# KiCad board panel_r0.1.kicad_pcb (continued)
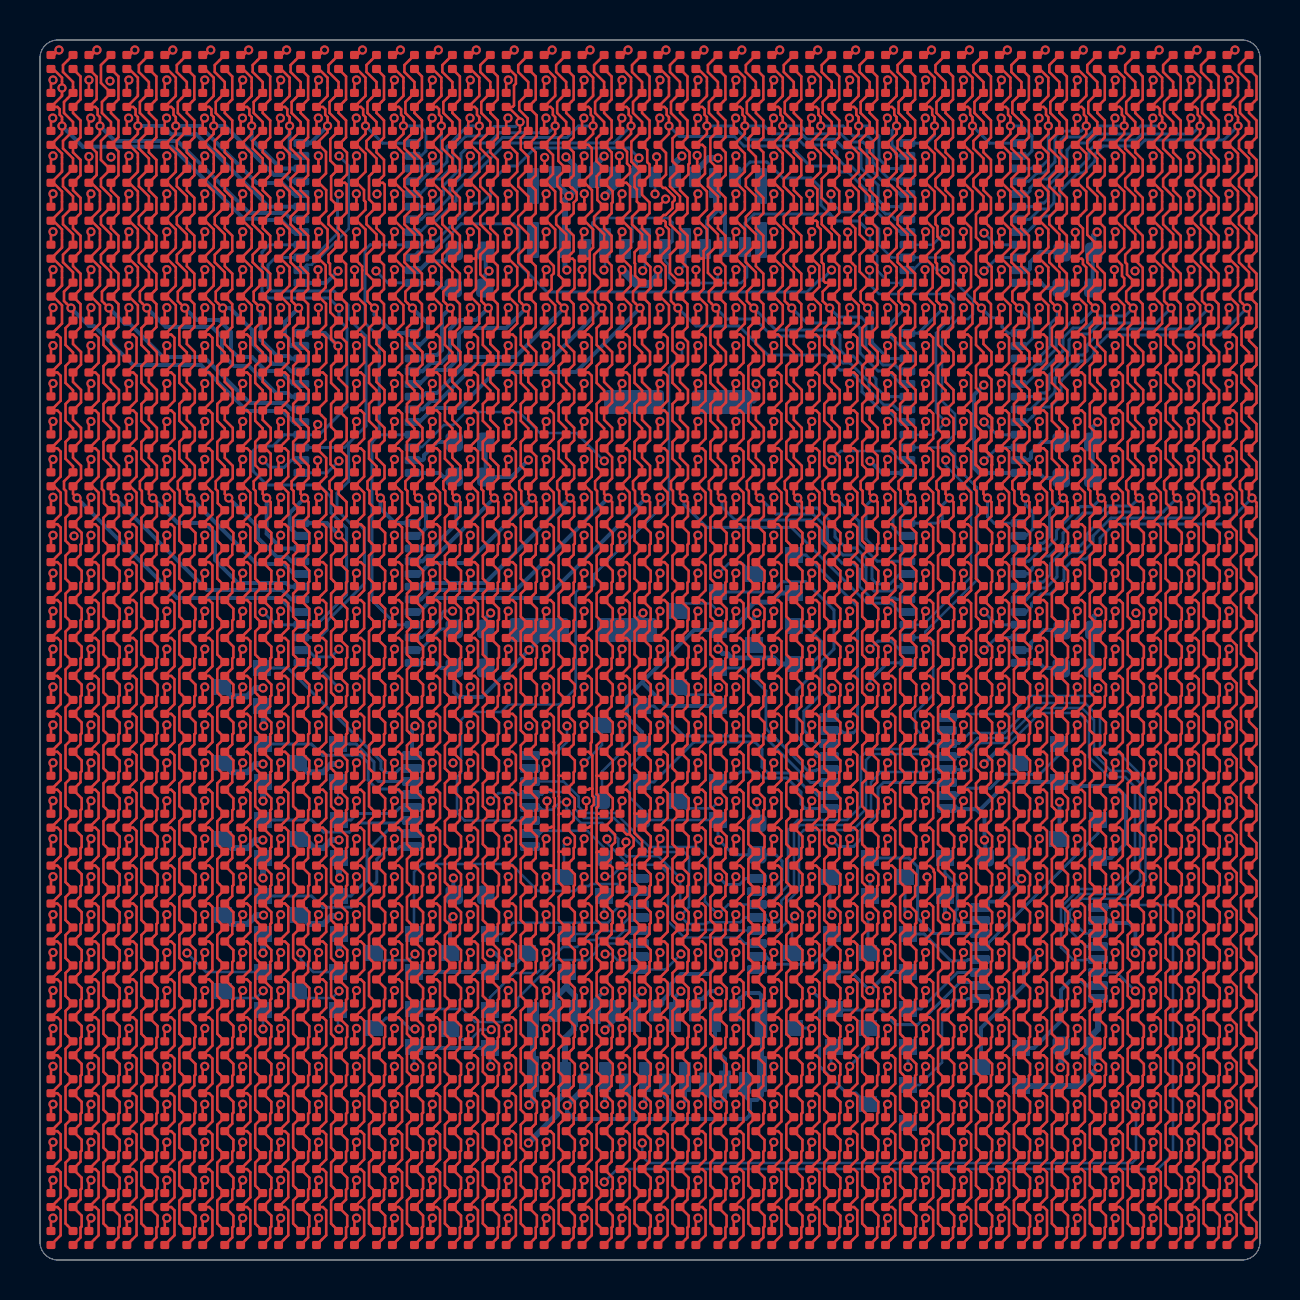
[diagram p0: board, top side]
## Routing (per net, layer and track width the routed paths; a pad name or vN(x,y) marks a point on that pad's centre or on a via; arc(x,y) is an arc through that point) (continued)
/ledArray/G: length 46.6
  In1.Cu w0.127: v1(16.85,53.3) 16.85,53.8 17.2,54.15 31.35,54.15 31.55,54.35 33.15,54.35 v1(33.9,55.1)
  In2.Cu w0.15: v1(16.85,53.3) 16.1,52.55 15.75,52.55 15.33,52.13 15.33,49.32 15.4,49.25 15.4,45 14.9,44.5 14.9,41.1 14.45,40.65 14.45,39.75 15.4,38.8 15.4,35.65 14.94,35.19 v1(14.94,30.54)
  Bottom w0.15: v1(14.94,30.54) 14.55,30.15 13.74,30.15 13.44,30.45 13.11,30.45 U5.2
  Bottom w0.3: J1.6 32.9,54.3 32.9,54.6 32.95,54.6 33.45,55.1 v1(33.9,55.1)
/ledArray/Gout: length 30.8
  In2.Cu w0.2: v1(33.94,13.44) 34.53,12.85 35.1,12.85 35.75,13.5 35.75,17.8 36.2,18.25 37.25,18.25 37.8,18.8 37.8,19.35 38.45,20 42.4,20 45.1,22.7 45.1,26.8 47.2,28.9 v1(47.2,30.5)
  Bottom w0.15: v1(47.2,30.5) 47.83,31.13 U6.22
  Bottom w0.2: J2.6 32.75,12.85 32.95,13.05 33.1,13.05 33.49,13.44 v1(33.94,13.44)
/ledArray/LATCH: length 185.2
  In1.Cu w0.127: v1(45.27,51.4) 45.25,51.38 45.25,50.35 ; 45.25,50.35 41.15,50.35 ; 45.25,50.35 53.85,50.35 v1(54.75,49.45) ; 41.15,50.35 41.48,50.02 v1(41.48,49.5) ; 41.15,50.35 31.02,50.35 v1(30.14,49.47) 29.32,48.65 16,48.65 v1(14.95,47.6)
  In2.Cu w0.127: v1(54.8,7.75) 56.55,9.5 56.55,36.2 58.05,37.7 58.05,38.9 57.7,39.25 56.85,39.25 56.6,39.5 56.6,40.7 56.15,41.15 55.5,41.15 55.15,41.5 55.15,47.68 54.75,48.07 v1(54.75,49.45) ; v1(30.15,7.75) 30.11,7.71 v1(30.11,5.85) ; v1(45.29,41.9) 45.29,41.89 v1(45.29,40)
  Bottom w0.127: U8.4 44.66,41.26 v1(45.29,41.9) 44.8,42.39 44.8,46.35 45.7,47.25 45.7,48.05 45.45,48.3 41.95,48.3 41.48,48.77 v1(41.48,49.5) ; U6.4 44.16,31.76 46.55,34.16 46.55,38.45 45.29,39.71 v1(45.29,40) ; v1(45.27,51.4) 44.63,50.76 U10.4 ; v1(30.11,5.85) 30.11,5.19 30.45,4.85 54.6,4.85 54.8,5.05 v1(54.8,7.75) ; v1(30.14,49.47) 30.25,49.58 J1.11
  Bottom w0.15: v1(11.15,32.4) 11.79,31.76 U5.4 13.83,31.76 15.33,33.27 15.33,36.58 14.55,37.36 14.55,38.15 13.95,38.75 11.35,38.75 10.65,39.45 10.65,40.45 10.9,40.7 11.65,40.7 12.21,41.26 U7.4 13.95,41.26 15.35,42.66 15.35,46.6 14.95,47 v1(14.95,47.6) 14.45,48.1 11.4,48.1 11.1,48.4 11.1,50.4 11.46,50.76 U9.4
  Bottom w0.2: v1(30.15,7.75) 30.25,7.85 J2.11
/ledArray/R: length 50.7
  In2.Cu w0.15: v1(31.95,49.45) 31.09,50.3 25.05,50.3 24.65,50.7 24.65,57.75 24.1,58.3 11.85,58.3 11.1,57.55 11.1,56.5 10.6,56 10.6,46.85 11.14,46.31 v1(11.14,40)
  Bottom w0.15: J1.7 32.25,49.75 v1(31.95,49.45) ; v1(11.14,40) 11.51,39.64 12.22,39.64 12.57,39.99 U7.2
/ledArray/Rout: length 49.1
  In2.Cu w0.2: v1(32.05,7.75) 34.4,10.1 34.4,10.25 36.15,12 36.15,17.55 36.5,17.9 37.65,17.9 38.1,18.35 42.5,18.35 44.2,20.05 48.4,20.05 48.85,20.5 48.85,38.3 v1(47.2,39.95)
  Bottom w0.15: v1(47.2,39.95) 47.88,40.63 U8.22
  Bottom w0.2: v1(32.05,7.75) 32.25,7.95 J2.7
/ledArray/ROWblank: length 113.1
  In2.Cu w0.127: v1(26.33,22.9) 25.95,23.28 25.95,39.5 28.65,42.2 28.65,47.95 29.2,48.5 33.8,48.5 34.35,49.05 34.35,51.3 33.4,52.25 28,52.25 27.75,52.5 27.75,53.75 28.2,54.2 v1(28.2,55.19)
  In2.Cu w0.15: v1(28.21,13.45) 28.65,13.88 28.65,15.74 v1(32.01,19.1)
  Bottom w0.127: 52.9,15.03 52.3,15.03 52.27,14.99 51.68,14.99 51.05,15.62 51.05,17.63 51.97,18.55 53.71,18.55 54.75,19.59 54.75,23.65 54.25,24.15 53.45,24.15 52.45,25.15 52.45,26.85 51.95,27.35 50,27.35 48.5,25.85 47,25.85 46.6,25.45 46.6,24.65 46.4,24.45 46.03,24.45 45.95,24.53 44.62,24.53 44.5,24.4 42.05,24.4 41.55,23.9 41.55,22.4 40.65,21.5 38.2,21.5 37.95,21.25 37.95,18.5 37.3,17.85 37.3,16.85 36.93,16.47 U2.13 34.62,16.47 34.6,16.5 32.14,16.5 31.63,17.02 31.63,17.57 32.01,17.96 v1(32.01,19.1) 30.92,20.18 29.32,20.18 28.92,20.59 28.92,21.05 28.12,21.85 27.05,21.85 26.33,22.57 v1(26.33,22.9) 26.01,22.9 25.63,22.52 25.11,22.52 25,22.62 U1.13
  Bottom w0.2: v1(28.21,13.45) 27.75,12.99 J2.16
  Bottom w0.3: v1(28.2,55.19) 27.75,54.74 J1.16
/ledArray/ROWdat: length 54.1
  In2.Cu w0.127: v1(28.25,53.2) 28.85,53.8 35.15,53.8 35.6,53.35 35.6,48.65 35.25,48.3 35.25,46.55 35,46.3 32.62,46.3 v1(32.02,45.7)
  Bottom w0.127: v1(32.02,45.7) 32.1,45.62 32.1,45.25 31.45,44.6 31.45,38.02 27.7,34.27 27.7,33.75 27.59,33.65 27.05,33.65 26.78,33.38 26.78,28.58 25.97,27.77 23.43,27.77 23.06,27.4 21.45,27.4 21.05,27 21.05,24.35 20.85,24.15 20.85,22.35 21.22,21.97 24.5,21.97
  Bottom w0.3: J1.14 28.75,53.7 v1(28.25,53.2)
/ledArray/ROWlatch: length 105.4
  In2.Cu w0.127: v1(32.01,17.2) 31.56,16.75 30.2,16.75 29.55,16.1 29.55,12.6 28.63,11.68 28.63,11.27 28.05,10.69 28.05,8.28 28.23,8.1 v1(28.23,7.78) ; v1(22.52,22.95) 23.95,24.38 23.95,28.45 23.9,28.5 23.9,37.55 23.95,37.6 23.95,40.65 24.3,41 25.3,41 26.7,42.4 26.7,47.89 28.2,49.39 v1(28.2,49.5)
  Bottom w0.127: U1.12 24.57,23.34 ; U1.12 23.9,23.28 23.83,23.34 22.92,23.34 v1(22.52,22.95) ; U1.12 25.1,23.28 25.22,23.4 26.39,23.4 26.71,23.08 26.71,22.58 27.19,22.1 28.7,22.1 30.4,20.4 32.2,20.4 32.45,20.15 32.45,17.64 v1(32.01,17.2) 32.41,16.8 33.3,16.8 33.39,16.89 35.01,16.89 35.25,17.12 U2.12 36.25,17.12 36.49,16.89 36.87,16.89 37.07,17.09 37.07,17.97 37.7,18.6 37.7,21.45 38,21.75 40.5,21.75 41.3,22.55 41.3,25 41.6,25.3 44.45,25.3 44.57,25.17 U3.12 45.95,25.17 46.88,26.1 48.35,26.1 49.85,27.6 52.1,27.6 52.7,27 52.7,25.3 53.55,24.45 54.4,24.45 55,23.85 55,19.05 54.25,18.3 52.02,18.3 51.26,17.54 51.26,16.71 52.3,15.67 U4.12 ; J1.15 28.25,49.55 v1(28.2,49.5)
  Bottom w0.2: v1(28.23,7.78) 28.25,7.8 J2.15
/ledArray/ROWout: length 54.3
  In2.Cu w0.127: v1(28.21,3.9) 27.75,4.36 27.75,11 v1(28.25,11.5)
  Bottom w0.127: v1(28.21,3.9) 28.86,4.55 55.9,4.55 56.65,5.3 56.65,17.55 56.45,17.75 53.62,17.75 53.5,17.62 U4.9
  Bottom w0.2: J2.14 28.75,12 v1(28.25,11.5)
/ledArray/SCLK: length 166.4
  In1.Cu w0.127: v1(39.55,53.3) 39.55,52.97 39.08,52.5 30.55,52.5 30.5,52.45 29.9,52.45
  In1.Cu w0.15: v1(14.95,53.3) 14.95,52.35 15.15,52.15 18.9,52.15 19.2,52.45 30.45,52.45 30.52,52.52 30.52,53.07 v1(30.75,53.3)
  In2.Cu w0.127: v1(33.94,15.34) 33.94,16.31 33.91,16.34 v1(33.91,17.27)
  Bottom w0.127: 52.9,16.33 52.24,16.33 51.48,17.09 51.48,17.45 52.09,18.06 54.36,18.06 55.27,18.97 55.27,24.03 53.95,25.35 53.3,25.35 53,25.65 53,27.1 52.25,27.85 49.72,27.85 48.22,26.35 46.47,26.35 45.95,25.83 44.53,25.83 ; 44.53,25.83 43.75,26.6 43.75,27.35 44.66,28.26 44.66,30.73 44.26,31.13 ; 44.53,25.83 44.25,25.55 41.45,25.55 41.05,25.15 41.05,22.7 40.35,22 37.9,22 37.4,21.5 37.4,18.72 36.45,17.78 U2.11 34.41,17.78 v1(33.91,17.27) 33.25,17.93 33.25,18.65 33.45,18.85 33.45,20.05 32.85,20.65 30.47,20.65 28.78,22.35 27.25,22.35 26.93,22.67 26.93,23.17 26.17,23.92 U1.11 ; v1(39.55,53.3) 39.55,52.9 40.05,52.4 41.1,52.4 41.95,51.55 41.95,50.75 42.57,50.13 U10.3 45.47,50.13 45.7,49.9 45.7,48.95 46.65,48 46.65,47.3 46.4,47.05 45.9,47.05 45.1,46.25 45.1,42.95 45.75,42.3 45.75,41.31 45.22,40.78 45.22,40.63 ; 44.26,31.13 44.26,31.41 46.85,34 46.85,38.62 45.75,39.72 45.75,40.3 45.42,40.63 45.22,40.63 ; 44.26,31.13 U6.3 ; J1.10 v1(30.75,53.3) ; 45.22,40.63 U8.3
  Bottom w0.15: U5.3 13.98,31.13 14.35,31.5 14.35,31.95 16.22,33.81 16.22,36.52 15.89,36.84 15.51,36.84 14.85,37.5 14.85,38.35 15.43,38.93 15.43,40.83 ; 15.43,40.83 16.3,41.7 16.3,46.2 15.4,47.1 15.4,47.75 14.7,48.45 11.55,48.45 11.4,48.6 11.4,49.75 11.78,50.13 U9.3 13.68,50.13 14.88,51.33 14.88,53.22 v1(14.95,53.3) ; 15.43,40.83 15.23,40.63 U7.3
  Bottom w0.2: J2.10 31.12,12.82 31.12,12.98 31.5,13.36 31.5,13.75 32.05,14.3 33.45,14.3 33.94,14.79 v1(33.94,15.34)
/ledArray/sheet5D7D53E6/COM: length 65
  Top w0.127: v1(0.65,45.72) 0.55,45.62 D257.1 ; v1(2.55,45.72) 2.45,45.62 D258.1 ; v1(4.44,45.72) 4.34,45.62 D259.1 ; v1(6.34,45.72) 6.24,45.62 D260.1 ; v1(8.24,45.72) 8.14,45.62 D261.1 ; v1(10.13,45.72) 10.03,45.62 D262.1 ; v1(12.03,45.72) 11.93,45.62 D263.1 ; v1(13.93,45.72) 13.83,45.62 D264.1 ; v1(15.82,45.72) 15.72,45.62 D265.1 ; v1(17.72,45.72) 17.62,45.62 D266.1 ; v1(19.62,45.72) 19.52,45.62 D267.1 ; v1(21.51,45.72) 21.41,45.62 D268.1 ; v1(23.41,45.72) 23.31,45.62 D269.1 ; v1(25.31,45.72) 25.21,45.62 D270.1 ; v1(27.2,45.72) 27.1,45.62 D271.1 ; v1(29.1,45.72) 29,45.62 D272.1 ; v1(31,45.72) 30.9,45.62 D273.1 ; v1(32.9,45.72) 32.79,45.62 D274.1 ; v1(34.79,45.72) 34.69,45.62 D275.1 ; v1(36.69,45.72) 36.59,45.62 D276.1 ; v1(38.59,45.72) 38.48,45.62 D277.1 ; v1(40.48,45.72) 40.38,45.62 D278.1 ; v1(42.38,45.72) 42.28,45.62 D279.1 ; v1(44.28,45.72) 44.17,45.62 D280.1 ; v1(46.17,45.72) 46.07,45.62 D281.1 ; v1(48.07,45.72) 47.97,45.62 D282.1 ; v1(49.97,45.72) 49.86,45.62 D283.1 ; v1(51.86,45.72) 51.76,45.62 D284.1 ; v1(53.76,45.72) 53.66,45.62 D285.1 ; v1(55.66,45.72) 55.56,45.62 D286.1 ; v1(57.55,45.72) 57.45,45.62 D287.1 ; v1(59.45,45.72) 59.35,45.62 D288.1
  In2.Cu w0.2: v1(46.17,45.72) 46.77,45.12 46.77,43.55 47.07,43.25 48.05,43.25 49.1,42.2 49.1,39.9 50.5,38.5 50.5,37.65 49.2,36.35 49.2,20.35 48.55,19.7 47.55,19.7 45.8,17.95 38.49,17.95 v1(37.74,17.2)
  Bottom w0.127: Q9.3 37.6,17.06 v1(37.74,17.2)
/ledArray/sheet5D7D53F6/COM: length 58.3
  Top w0.127: v1(0.65,43.83) 0.55,43.72 D289.1 ; v1(2.55,43.83) 2.45,43.72 D290.1 ; v1(4.44,43.83) 4.34,43.72 D291.1 ; v1(6.34,43.83) 6.24,43.72 D292.1 ; v1(8.24,43.83) 8.14,43.72 D293.1 ; v1(10.13,43.83) 10.03,43.72 D294.1 ; v1(12.03,43.83) 11.93,43.72 D295.1 ; v1(13.93,43.83) 13.83,43.72 D296.1 ; v1(15.82,43.83) 15.72,43.72 D297.1 ; v1(17.72,43.83) 17.62,43.72 D298.1 ; v1(19.62,43.83) 19.52,43.72 D299.1 ; v1(21.51,43.83) 21.41,43.72 D300.1 ; v1(23.41,43.83) 23.31,43.72 D301.1 ; v1(25.31,43.83) 25.21,43.72 D302.1 ; v1(27.2,43.83) 27.1,43.72 D303.1 ; v1(29.1,43.83) 29,43.72 D304.1 ; v1(31,43.83) 30.9,43.72 D305.1 ; v1(32.9,43.83) 32.79,43.72 D306.1 ; v1(34.79,43.83) 34.69,43.72 D307.1 ; v1(36.69,43.83) 36.59,43.72 D308.1 ; v1(38.59,43.83) 38.48,43.72 D309.1 ; v1(40.48,43.83) 40.38,43.72 D310.1 ; v1(42.38,43.83) 42.28,43.72 D311.1 ; v1(44.28,43.83) 44.17,43.72 D312.1 ; v1(46.17,43.83) 46.07,43.72 D313.1 ; v1(48.07,43.83) 47.97,43.72 D314.1 ; v1(49.97,43.83) 49.86,43.72 D315.1 ; v1(51.86,43.83) 51.76,43.72 D316.1 ; v1(53.76,43.83) 53.66,43.72 D317.1 ; v1(55.66,43.83) 55.56,43.72 D318.1 ; v1(57.55,43.83) 57.45,43.72 D319.1 ; v1(59.45,43.83) 59.35,43.72 D320.1
  In2.Cu w0.2: v1(11.16,13.46) 2.97,21.66 2.97,43.41 v1(2.55,43.83)
  Bottom w0.127: Q10.3 9.5,13.1 10.8,13.1 v1(11.16,13.46)
/ledArray/sheet5D7D542A/COM: length 53.7
  Top w0.127: v1(0.65,38.14) 0.55,38.03 D385.1 ; v1(2.55,38.14) 2.45,38.03 D386.1 ; v1(4.44,38.14) 4.34,38.03 D387.1 ; v1(6.34,38.14) 6.24,38.03 D388.1 ; v1(8.24,38.14) 8.14,38.03 D389.1 ; v1(10.13,38.14) 10.03,38.03 D390.1 ; v1(12.03,38.14) 11.93,38.03 D391.1 ; v1(13.93,38.14) 13.83,38.03 D392.1 ; v1(15.82,38.14) 15.72,38.03 D393.1 ; v1(17.72,38.14) 17.62,38.03 D394.1 ; v1(19.62,38.14) 19.52,38.03 D395.1 ; v1(21.51,38.14) 21.41,38.03 D396.1 ; v1(23.41,38.14) 23.31,38.03 D397.1 ; v1(25.31,38.14) 25.21,38.03 D398.1 ; v1(27.2,38.14) 27.1,38.03 D399.1 ; v1(29.1,38.14) 29,38.03 D400.1 ; v1(31,38.14) 30.9,38.03 D401.1 ; v1(32.9,38.14) 32.79,38.03 D402.1 ; v1(34.79,38.14) 34.69,38.03 D403.1 ; v1(36.69,38.14) 36.59,38.03 D404.1 ; v1(38.59,38.14) 38.48,38.03 D405.1 ; v1(40.48,38.14) 40.38,38.03 D406.1 ; v1(42.38,38.14) 42.28,38.03 D407.1 ; v1(44.28,38.14) 44.17,38.03 D408.1 ; v1(46.17,38.14) 46.07,38.03 D409.1 ; v1(48.07,38.14) 47.97,38.03 D410.1 ; v1(49.97,38.14) 49.86,38.03 D411.1 ; v1(51.86,38.14) 51.76,38.03 D412.1 ; v1(53.76,38.14) 53.66,38.03 D413.1 ; v1(55.66,38.14) 55.56,38.03 D414.1 ; v1(57.55,38.14) 57.45,38.03 D415.1 ; v1(59.45,38.14) 59.35,38.03 D416.1
  In2.Cu w0.2: v1(22.56,11.52) 20.98,13.1 20.98,15.87 20.2,16.65 20.2,23.4 19.05,24.55 19.05,25.4 20.2,26.55 20.2,36.82 v1(21.51,38.14)
  Bottom w0.127: v1(22.56,11.52) 22.02,11.52 21.52,11.02 21.08,11.02 20.55,11.55 Q13.3
/ledArray/sheet5D7D543A/COM: length 46.1
  Top w0.127: v1(0.65,36.24) 0.55,36.14 D417.1 ; v1(2.55,36.24) 2.45,36.14 D418.1 ; v1(4.44,36.24) 4.34,36.14 D419.1 ; v1(6.34,36.24) 6.24,36.14 D420.1 ; v1(8.24,36.24) 8.14,36.14 D421.1 ; v1(10.13,36.24) 10.03,36.14 D422.1 ; v1(12.03,36.24) 11.93,36.14 D423.1 ; v1(13.93,36.24) 13.83,36.14 D424.1 ; v1(15.82,36.24) 15.72,36.14 D425.1 ; v1(17.72,36.24) 17.62,36.14 D426.1 ; v1(19.62,36.24) 19.52,36.14 D427.1 ; v1(21.51,36.24) 21.41,36.14 D428.1 ; v1(23.41,36.24) 23.31,36.14 D429.1 ; v1(25.31,36.24) 25.21,36.14 D430.1 ; v1(27.2,36.24) 27.1,36.14 D431.1 ; v1(29.1,36.24) 29,36.14 D432.1 ; v1(31,36.24) 30.9,36.14 D433.1 ; v1(32.9,36.24) 32.79,36.14 D434.1 ; v1(34.79,36.24) 34.69,36.14 D435.1 ; v1(36.69,36.24) 36.59,36.14 D436.1 ; v1(38.59,36.24) 38.48,36.14 D437.1 ; v1(40.48,36.24) 40.38,36.14 D438.1 ; v1(42.38,36.24) 42.28,36.14 D439.1 ; v1(44.28,36.24) 44.17,36.14 D440.1 ; v1(46.17,36.24) 46.07,36.14 D441.1 ; v1(48.07,36.24) 47.97,36.14 D442.1 ; v1(49.97,36.24) 49.86,36.14 D443.1 ; v1(51.86,36.24) 51.76,36.14 D444.1 ; v1(53.76,36.24) 53.66,36.14 D445.1 ; v1(55.66,36.24) 55.56,36.14 D446.1 ; v1(57.55,36.24) 57.45,36.14 D447.1 ; v1(59.45,36.24) 59.35,36.14 D448.1
  In2.Cu w0.2: v1(23.41,36.24) 22.95,35.78 22.95,31.55 22.52,31.12 22.52,25.72 21.95,25.15 21.95,21.55 22.52,20.98 v1(22.52,15.35)
  Bottom w0.2: v1(22.52,15.35) 22.74,15.35 23.34,14.75 23.7,14.75 24.3,15.35 Q14.3
  vias: v1(1.7,36.2)
/ledArray/sheet5D7D544C/COM: length 41.9
  Top w0.127: v1(0.65,34.34) 0.55,34.24 D449.1 ; v1(2.55,34.34) 2.45,34.24 D450.1 ; v1(4.44,34.34) 4.34,34.24 D451.1 ; v1(6.34,34.34) 6.24,34.24 D452.1 ; v1(8.24,34.34) 8.14,34.24 D453.1 ; v1(10.13,34.34) 10.03,34.24 D454.1 ; v1(12.03,34.34) 11.93,34.24 D455.1 ; v1(13.93,34.34) 13.83,34.24 D456.1 ; v1(15.82,34.34) 15.72,34.24 D457.1 ; v1(17.72,34.34) 17.62,34.24 D458.1 ; v1(19.62,34.34) 19.52,34.24 D459.1 ; v1(21.51,34.34) 21.41,34.24 D460.1 ; v1(23.41,34.34) 23.31,34.24 D461.1 ; v1(25.31,34.34) 25.21,34.24 D462.1 ; v1(27.2,34.34) 27.1,34.24 D463.1 ; v1(29.1,34.34) 29,34.24 D464.1 ; v1(31,34.34) 30.9,34.24 D465.1 ; v1(32.9,34.34) 32.79,34.24 D466.1 ; v1(34.79,34.34) 34.69,34.24 D467.1 ; v1(36.69,34.34) 36.59,34.24 D468.1 ; v1(38.59,34.34) 38.48,34.24 D469.1 ; v1(40.48,34.34) 40.38,34.24 D470.1 ; v1(42.38,34.34) 42.28,34.24 D471.1 ; v1(44.28,34.34) 44.17,34.24 D472.1 ; v1(46.17,34.34) 46.07,34.24 D473.1 ; v1(48.07,34.34) 47.97,34.24 D474.1 ; v1(49.97,34.34) 49.86,34.24 D475.1 ; v1(51.86,34.34) 51.76,34.24 D476.1 ; v1(53.76,34.34) 53.66,34.24 D477.1 ; v1(55.66,34.34) 55.56,34.24 D478.1 ; v1(57.55,34.34) 57.45,34.24 D479.1 ; v1(59.45,34.34) 59.35,34.24 D480.1
  In2.Cu w0.2: v1(20.65,17.17) 21.09,17.6 21.09,31.24 22.05,32.2 22.05,33.81 v1(21.51,34.34)
  Bottom w0.2: v1(20.65,17.17) 20.5,17.02 Q15.3
/ledArray/sheet5D7D545C/COM: length 42.9
  Top w0.127: v1(0.65,32.45) 0.55,32.34 D481.1 ; v1(2.55,32.45) 2.45,32.34 D482.1 ; v1(4.44,32.45) 4.34,32.34 D483.1 ; v1(6.34,32.45) 6.24,32.34 D484.1 ; v1(8.24,32.45) 8.14,32.34 D485.1 ; v1(10.13,32.45) 10.03,32.34 D486.1 ; v1(12.03,32.45) 11.93,32.34 D487.1 ; v1(13.93,32.45) 13.83,32.34 D488.1 ; v1(15.82,32.45) 15.72,32.34 D489.1 ; v1(17.72,32.45) 17.62,32.34 D490.1 ; v1(19.62,32.45) 19.52,32.34 D491.1 ; v1(21.51,32.45) 21.41,32.34 D492.1 ; v1(23.41,32.45) 23.31,32.34 D493.1 ; v1(25.31,32.45) 25.21,32.34 D494.1 ; v1(27.2,32.45) 27.1,32.34 D495.1 ; v1(29.1,32.45) 29,32.34 D496.1 ; v1(31,32.45) 30.9,32.34 D497.1 ; v1(32.9,32.45) 32.79,32.34 D498.1 ; v1(34.79,32.45) 34.69,32.34 D499.1 ; v1(36.69,32.45) 36.59,32.34 D500.1 ; v1(38.59,32.45) 38.48,32.34 D501.1 ; v1(40.48,32.45) 40.38,32.34 D502.1 ; v1(42.38,32.45) 42.28,32.34 D503.1 ; v1(44.28,32.45) 44.17,32.34 D504.1 ; v1(46.17,32.45) 46.07,32.34 D505.1 ; v1(48.07,32.45) 47.97,32.34 D506.1 ; v1(49.97,32.45) 49.86,32.34 D507.1 ; v1(51.86,32.45) 51.76,32.34 D508.1 ; v1(53.76,32.45) 53.66,32.34 D509.1 ; v1(55.66,32.45) 55.56,32.34 D510.1 ; v1(57.55,32.45) 57.45,32.34 D511.1 ; v1(59.45,32.45) 59.35,32.34 D512.1
  In2.Cu w0.2: v1(17.72,32.45) 16.6,31.32 16.6,19.55 16.95,19.2 16.95,17.1 v1(18.75,15.3)
  Bottom w0.127: Q16.3 17.06,14.99 18.44,14.99 v1(18.75,15.3)
/ledArray/sheet5D7D5408/COM: length 53.8
  Top w0.127: v1(0.65,41.93) 0.55,41.83 D321.1 ; v1(2.55,41.93) 2.45,41.83 D322.1 ; v1(4.44,41.93) 4.34,41.83 D323.1 ; v1(6.34,41.93) 6.24,41.83 D324.1 ; v1(8.24,41.93) 8.14,41.83 D325.1 ; v1(10.13,41.93) 10.03,41.83 D326.1 ; v1(12.03,41.93) 11.93,41.83 D327.1 ; v1(15.82,41.93) 15.72,41.83 D329.1 ; v1(17.72,41.93) 17.62,41.83 D330.1 ; v1(19.62,41.93) 19.52,41.83 D331.1 ; v1(21.51,41.93) 21.41,41.83 D332.1 ; v1(23.41,41.93) 23.31,41.83 D333.1 ; v1(25.31,41.93) 25.21,41.83 D334.1 ; v1(27.2,41.93) 27.1,41.83 D335.1 ; v1(29.1,41.93) 29,41.83 D336.1 ; v1(31,41.93) 30.9,41.83 D337.1 ; v1(32.9,41.93) 32.79,41.83 D338.1 ; v1(34.79,41.93) 34.69,41.83 D339.1 ; v1(36.69,41.93) 36.59,41.83 D340.1 ; v1(38.59,41.93) 38.48,41.83 D341.1 ; v1(40.48,41.93) 40.38,41.83 D342.1 ; v1(42.38,41.93) 42.28,41.83 D343.1 ; v1(44.28,41.93) 44.17,41.83 D344.1 ; v1(46.17,41.93) 46.07,41.83 D345.1 ; v1(48.07,41.93) 47.97,41.83 D346.1 ; v1(49.97,41.93) 49.86,41.83 D347.1 ; v1(51.86,41.93) 51.76,41.83 D348.1 ; v1(53.76,41.93) 53.66,41.83 D349.1 ; v1(55.66,41.93) 55.56,41.83 D350.1 ; v1(57.55,41.93) 57.45,41.83 D351.1 ; v1(59.45,41.93) 59.35,41.83 D352.1 ; D328.1 13.8,41.31 13.8,41.85 13.81,41.85 v1(13.89,41.78)
  In2.Cu w0.2: v1(15.82,41.93) 16.24,41.51 16.24,19.41 16.5,19.15 16.5,15 v1(14.95,13.45)
  Bottom w0.127: Q11.3 13.25,13.1 14.6,13.1 v1(14.95,13.45)
/ledArray/sheet5D7D5419/COM: length 54.1
  Top w0.127: v1(0.65,40.03) 0.55,39.93 D353.1 ; v1(2.55,40.03) 2.45,39.93 D354.1 ; v1(4.44,40.03) 4.34,39.93 D355.1 ; v1(6.34,40.03) 6.24,39.93 D356.1 ; v1(8.24,40.03) 8.14,39.93 D357.1 ; v1(10.13,40.03) 10.03,39.93 D358.1 ; v1(12.03,40.03) 11.93,39.93 D359.1 ; v1(15.82,40.03) 15.72,39.93 D361.1 ; v1(17.72,40.03) 17.62,39.93 D362.1 ; v1(19.62,40.03) 19.52,39.93 D363.1 ; v1(21.51,40.03) 21.41,39.93 D364.1 ; v1(23.41,40.03) 23.31,39.93 D365.1 ; v1(25.31,40.03) 25.21,39.93 D366.1 ; v1(27.2,40.03) 27.1,39.93 D367.1 ; v1(29.1,40.03) 29,39.93 D368.1 ; v1(31,40.03) 30.9,39.93 D369.1 ; v1(32.9,40.03) 32.79,39.93 D370.1 ; v1(34.79,40.03) 34.69,39.93 D371.1 ; v1(36.69,40.03) 36.59,39.93 D372.1 ; v1(38.59,40.03) 38.48,39.93 D373.1 ; v1(40.48,40.03) 40.38,39.93 D374.1 ; v1(42.38,40.03) 42.28,39.93 D375.1 ; v1(44.28,40.03) 44.17,39.93 D376.1 ; v1(46.17,40.03) 46.07,39.93 D377.1 ; v1(48.07,40.03) 47.97,39.93 D378.1 ; v1(49.97,40.03) 49.86,39.93 D379.1 ; v1(51.86,40.03) 51.76,39.93 D380.1 ; v1(53.76,40.03) 53.66,39.93 D381.1 ; v1(55.66,40.03) 55.56,39.93 D382.1 ; v1(57.55,40.03) 57.45,39.93 D383.1 ; v1(59.45,40.03) 59.35,39.93 D384.1 ; v1(13.88,39.99) 13.88,39.44 D360.1
  In2.Cu w0.2: v1(18.75,11.55) 19.17,11.97 19.17,15.88 18.5,16.55 18.5,26.2 18.25,26.45 18.25,27.75 18.65,28.15 18.65,37.45 18.14,37.96 18.14,39.61 v1(17.72,40.03)
  Bottom w0.15: 16.7,11.55 16.75,11.55 17.3,12.1 17.95,12.1 18.5,11.55 v1(18.75,11.55)
/ledArray/sheet5D7371BF/COM: length 75.8
  Top w0.127: v1(2.85,60.5) 2.6,60.25 D2.1 ; v1(4.74,60.5) 4.49,60.25 D3.1 ; v1(6.64,60.5) 6.39,60.25 D4.1 ; v1(8.54,60.5) 8.29,60.25 D5.1 ; v1(10.43,60.5) 10.18,60.25 D6.1 ; v1(12.33,60.5) 12.08,60.25 D7.1 ; v1(14.23,60.5) 13.98,60.25 D8.1 ; v1(16.12,60.5) 15.87,60.25 D9.1 ; v1(18.02,60.5) 17.77,60.25 D10.1 ; v1(19.92,60.5) 19.67,60.25 D11.1 ; v1(21.81,60.5) 21.56,60.25 D12.1 ; v1(23.71,60.5) 23.46,60.25 D13.1 ; v1(25.61,60.5) 25.36,60.25 D14.1 ; v1(27.5,60.5) 27.25,60.25 D15.1 ; v1(29.4,60.5) 29.15,60.25 D16.1 ; v1(31.3,60.5) 31.05,60.25 D17.1 ; v1(33.2,60.5) 32.94,60.25 D18.1 ; v1(35.09,60.5) 34.84,60.25 D19.1 ; v1(36.99,60.5) 36.74,60.25 D20.1 ; v1(38.89,60.5) 38.63,60.25 D21.1 ; v1(40.78,60.5) 40.53,60.25 D22.1 ; v1(42.68,60.5) 42.43,60.25 D23.1 ; v1(44.58,60.5) 44.32,60.25 D24.1 ; v1(46.47,60.5) 46.22,60.25 D25.1 ; v1(48.37,60.5) 48.12,60.25 D26.1 ; v1(50.27,60.5) 50.01,60.25 D27.1 ; v1(52.16,60.5) 51.91,60.25 D28.1 ; v1(54.06,60.5) 53.81,60.25 D29.1 ; v1(55.96,60.5) 55.71,60.25 D30.1 ; v1(57.85,60.5) 57.6,60.25 D31.1 ; v1(59.75,60.5) 59.5,60.25 D32.1 ; D1.1 0.7,60.25 v1(0.95,60.5)
  In2.Cu w0.2: v1(26.36,20.94) 27.73,22.31 27.73,23.16 27.62,23.27 27.62,40.18 28.25,40.8 36.75,40.8 37.11,41.16 37.11,47.74 37.6,48.23 37.6,53.75 36.95,54.4 29.6,54.4 29.4,54.6 29.4,55.95 28.45,56.9 28.45,59.55 v1(29.4,60.5)
  Bottom w0.127: v1(26.36,20.94) 26.2,20.78 Q1.3
/ledArray/sheet5D7371D0/COM: length 69.3
  Top w0.127: D35.1 4.34,58.9 v1(4.44,59) ; D36.1 6.24,58.9 v1(6.34,59) ; D37.1 8.14,58.9 v1(8.24,59) ; D38.1 10.03,58.9 v1(10.13,59) ; D39.1 11.93,58.9 v1(12.03,59) ; D40.1 13.83,58.9 v1(13.93,59) ; D41.1 15.72,58.9 v1(15.82,59) ; D42.1 17.62,58.9 v1(17.72,59) ; D43.1 19.52,58.9 v1(19.62,59) ; D44.1 21.41,58.9 v1(21.51,59) ; D45.1 23.31,58.9 v1(23.41,59) ; D46.1 25.21,58.9 v1(25.31,59) ; D47.1 27.1,58.9 v1(27.2,59) ; D48.1 29,58.9 v1(29.1,59) ; D49.1 30.9,58.9 v1(31,59) ; D50.1 32.79,58.9 v1(32.9,59) ; D51.1 34.69,58.9 v1(34.79,59) ; D52.1 36.59,58.9 v1(36.69,59) ; D53.1 38.48,58.9 v1(38.59,59) ; D54.1 40.38,58.9 v1(40.48,59) ; D55.1 42.28,58.9 v1(42.38,59) ; D56.1 44.17,58.9 v1(44.28,59) ; D57.1 46.07,58.9 v1(46.17,59) ; D58.1 47.97,58.9 v1(48.07,59) ; D59.1 49.86,58.9 v1(49.97,59) ; D60.1 51.76,58.9 v1(51.86,59) ; D61.1 53.66,58.9 v1(53.76,59) ; D62.1 55.56,58.9 v1(55.66,59) ; D63.1 57.45,58.9 v1(57.55,59) ; D64.1 59.35,58.9 v1(59.45,59) ; D33.1 0.55,58.9 v1(0.65,59) ; v1(2.45,59) 2.45,59 D34.1
  In2.Cu w0.2: v1(4.44,59) 5.31,58.13 5.31,56.5 4.92,56.11 4.92,23.49 v1(11.18,17.24)
  Bottom w0.3: Q2.3 9.6,16.8 10.37,16.8 10.81,17.24 v1(11.18,17.24)
/ledArray/sheet5D7371E3/COM: length 65.5
  Top w0.127: D66.1 2.45,57.01 v1(2.53,57.1) ; D67.1 4.34,57.01 v1(4.43,57.1) ; D68.1 6.24,57.01 v1(6.33,57.1) ; D69.1 8.14,57.01 v1(8.23,57.1) ; D70.1 10.03,57.01 v1(10.12,57.1) ; D71.1 11.93,57.01 v1(12.02,57.1) ; D72.1 13.83,57.01 v1(13.92,57.1) ; D73.1 15.72,57.01 v1(15.81,57.1) ; D74.1 17.62,57.01 v1(17.71,57.1) ; D75.1 19.52,57.01 v1(19.61,57.1) ; D76.1 21.41,57.01 v1(21.5,57.1) ; D77.1 23.31,57.01 v1(23.4,57.1) ; D78.1 25.21,57.01 v1(25.3,57.1) ; D79.1 27.1,57.01 v1(27.19,57.1) ; D80.1 29,57.01 v1(29.09,57.1) ; D81.1 30.9,57.01 v1(30.99,57.1) ; D82.1 32.79,57.01 v1(32.88,57.1) ; D83.1 34.69,57.01 v1(34.78,57.1) ; D84.1 36.59,57.01 v1(36.68,57.1) ; D85.1 38.48,57.01 v1(38.57,57.1) ; D86.1 40.38,57.01 v1(40.47,57.1) ; D87.1 42.28,57.01 v1(42.37,57.1) ; D88.1 44.17,57.01 v1(44.26,57.1) ; D89.1 46.07,57.01 v1(46.16,57.1) ; D90.1 47.97,57.01 v1(48.06,57.1) ; D91.1 49.86,57.01 v1(49.95,57.1) ; D92.1 51.76,57.01 v1(51.85,57.1) ; D93.1 53.66,57.01 v1(53.75,57.1) ; D94.1 55.56,57.01 v1(55.64,57.1) ; D95.1 57.45,57.01 v1(57.54,57.1) ; D96.1 59.35,57.01 v1(59.44,57.1) ; v1(0.64,57.1) 0.55,57.01 D65.1
  In2.Cu w0.2: v1(14.94,17.2) 12.62,19.52 12.62,46.13 11.61,47.14 11.61,56.69 v1(12.02,57.1)
  Bottom w0.3: Q3.3 13,17.25 13.45,16.8 14.17,16.8 14.57,17.2 v1(14.94,17.2)
/ledArray/sheet5D7371F5/COM: length 60.6
  Top w0.127: v1(0.65,55.21) 0.55,55.11 D97.1 ; v1(4.44,55.21) 4.34,55.11 D99.1 ; v1(6.34,55.21) 6.24,55.11 D100.1 ; v1(8.24,55.21) 8.14,55.11 D101.1 ; v1(10.13,55.21) 10.03,55.11 D102.1 ; v1(12.03,55.21) 11.93,55.11 D103.1 ; v1(15.82,55.21) 15.72,55.11 D105.1 ; v1(17.72,55.21) 17.62,55.11 D106.1 ; v1(19.62,55.21) 19.52,55.11 D107.1 ; v1(21.51,55.21) 21.41,55.11 D108.1 ; v1(23.41,55.21) 23.31,55.11 D109.1 ; v1(27.2,55.21) 27.1,55.11 D111.1 ; v1(34.79,55.21) 34.69,55.11 D115.1 ; v1(36.69,55.21) 36.59,55.11 D116.1 ; v1(38.59,55.21) 38.48,55.11 D117.1 ; v1(40.48,55.21) 40.38,55.11 D118.1 ; v1(42.38,55.21) 42.28,55.11 D119.1 ; v1(44.28,55.21) 44.17,55.11 D120.1 ; v1(46.17,55.21) 46.07,55.11 D121.1 ; v1(48.07,55.21) 47.97,55.11 D122.1 ; v1(49.97,55.21) 49.86,55.11 D123.1 ; v1(51.86,55.21) 51.76,55.11 D124.1 ; v1(53.76,55.21) 53.66,55.11 D125.1 ; v1(55.66,55.21) 55.56,55.11 D126.1 ; v1(57.55,55.21) 57.45,55.11 D127.1 ; v1(59.45,55.21) 59.35,55.11 D128.1 ; v1(2.45,55.17) 2.45,55.17 D98.1 ; v1(25.23,55.13) 25.23,54.58 D110.1 ; v1(28.97,55.21) 28.97,54.59 D112.1 ; D113.1 30.83,54.62 v1(30.83,55.16) ; v1(13.92,55.21) 13.92,54.65 D104.1 ; v1(32.86,55.23) 32.86,54.62 D114.1
  In2.Cu w0.2: v1(6.34,55.21) 6.9,54.65 6.9,52.15 6.95,52.1 6.95,47.93 6.82,47.8 6.82,46.53 7,46.35 7,40.95 6.85,40.8 6.85,32.75 9.55,30.05 9.55,22.92 11.14,21.33 v1(11.14,21)
  Bottom w0.3: Q4.3 9.6,20.6 10.37,20.6 10.77,21 v1(11.14,21)
/ledArray/sheet5D7853C8/COM: length 30.5
  Top w0.127: v1(0.65,30.55) 0.55,30.45 D513.1 ; v1(2.55,30.55) 2.45,30.45 D514.1 ; v1(4.44,30.55) 4.34,30.45 D515.1 ; v1(6.34,30.55) 6.24,30.45 D516.1 ; v1(8.24,30.55) 8.14,30.45 D517.1 ; v1(10.13,30.55) 10.03,30.45 D518.1 ; v1(12.03,30.55) 11.93,30.45 D519.1 ; v1(13.93,30.55) 13.83,30.45 D520.1 ; v1(15.82,30.55) 15.72,30.45 D521.1 ; v1(17.72,30.55) 17.62,30.45 D522.1 ; v1(19.62,30.55) 19.52,30.45 D523.1 ; v1(21.51,30.55) 21.41,30.45 D524.1 ; v1(23.41,30.55) 23.31,30.45 D525.1 ; v1(25.31,30.55) 25.21,30.45 D526.1 ; v1(27.2,30.55) 27.1,30.45 D527.1 ; v1(29.1,30.55) 29,30.45 D528.1 ; v1(31,30.55) 30.9,30.45 D529.1 ; v1(32.9,30.55) 32.79,30.45 D530.1 ; v1(34.79,30.55) 34.69,30.45 D531.1 ; v1(36.69,30.55) 36.59,30.45 D532.1 ; v1(38.59,30.55) 38.48,30.45 D533.1 ; v1(40.48,30.55) 40.38,30.45 D534.1 ; v1(42.38,30.55) 42.28,30.45 D535.1 ; v1(44.28,30.55) 44.17,30.45 D536.1 ; v1(46.17,30.55) 46.07,30.45 D537.1 ; v1(48.07,30.55) 47.97,30.45 D538.1 ; v1(49.97,30.55) 49.86,30.45 D539.1 ; v1(51.86,30.55) 51.76,30.45 D540.1 ; v1(53.76,30.55) 53.66,30.45 D541.1 ; v1(55.66,30.55) 55.56,30.45 D542.1 ; v1(57.55,30.55) 57.45,30.45 D543.1 ; v1(59.45,30.55) 59.35,30.45 D544.1